# Altium PCB EBS V1.0.PcbDoc (part 4 of 5)
Units mm, origin at the board's own origin, x right, y up, seen from the top; angles counter-clockwise.
Board outline 119.89 x 108.33 mm, 4 copper layers (Top Layer, Internal Plane 1, Internal Plane 2, Bottom Layer), stack 0.462 mm thick; 406 components, 278 nets, 1194 pads, 156 vias.
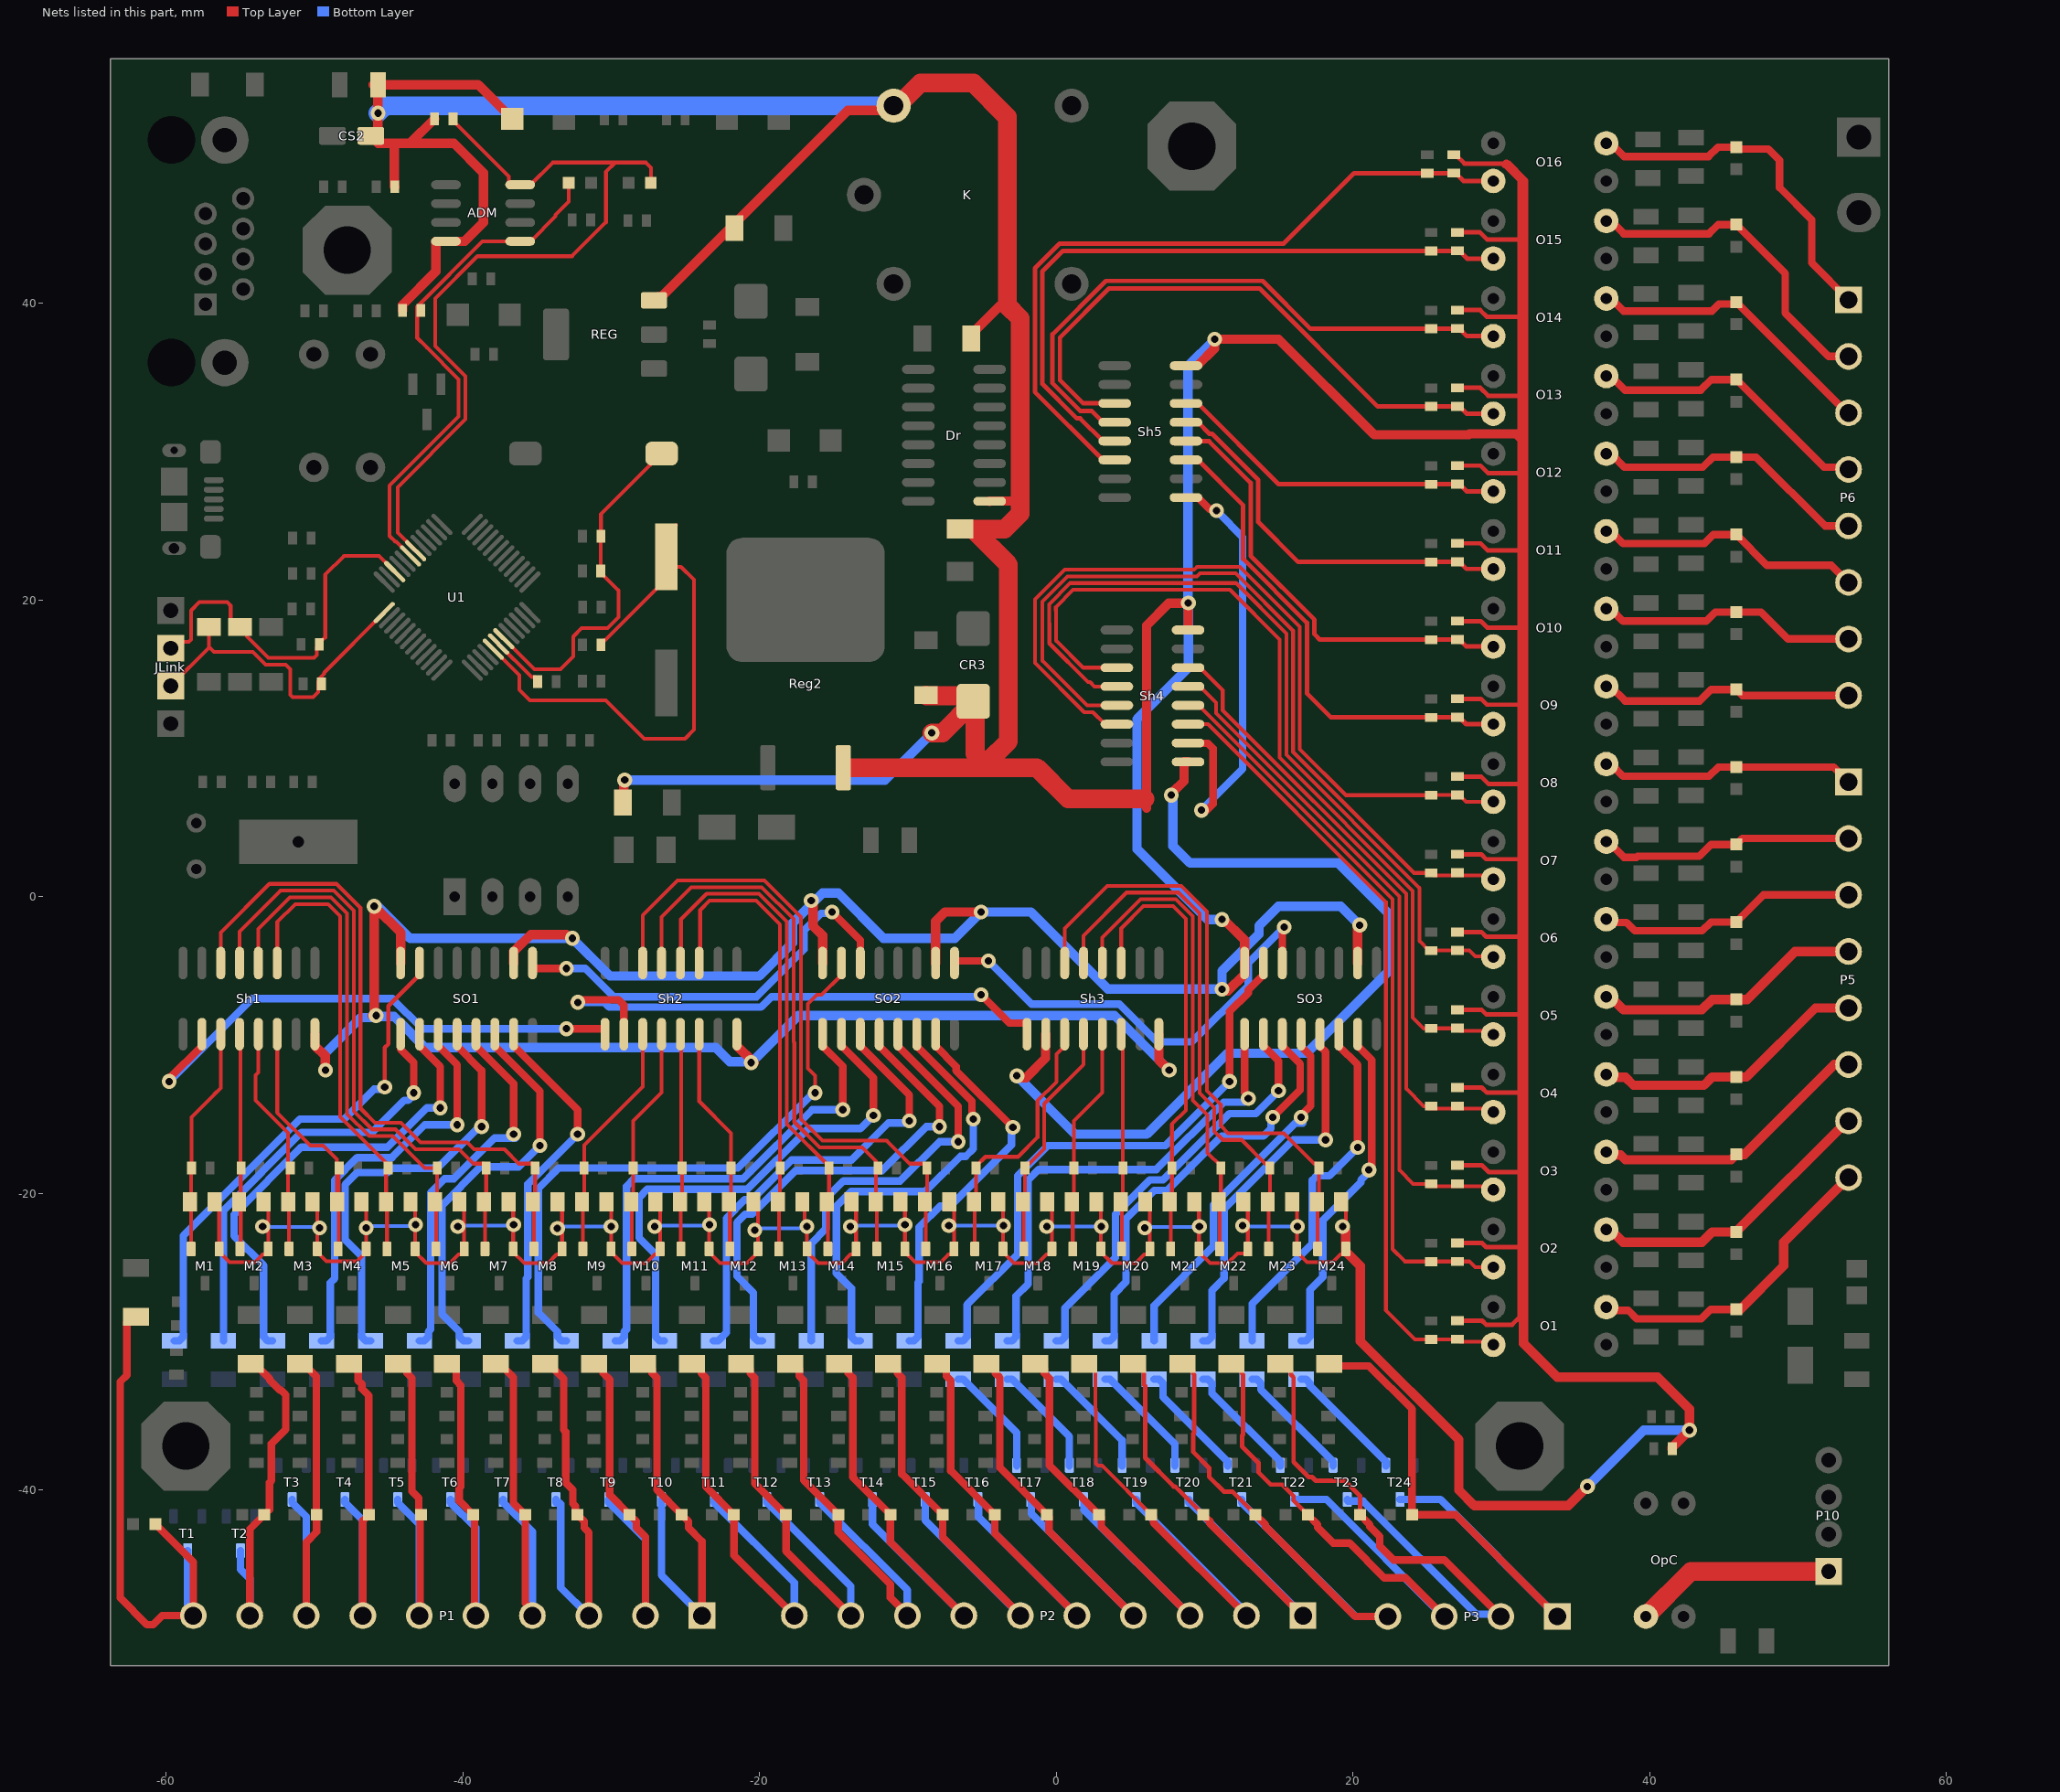
[diagram p6: the nets of this part, all layers, seen from the top]

## Via types
v1: diameter 1, hole 0.5, Top Layer to Bottom Layer, 153 vias
v2: diameter 2, hole 1, Top Layer to Bottom Layer, 3 vias

## Nets (pads, with @x,y where several pads share a name; then routed paths per layer and width w, separated by ;. In a path a pad name is that pad's centre, name@x,y a point inside that pad or via, vN(x,y) a via of type N, cw(c..) or ccw(c..) an arc to the next point about the centre after c; other vN are vias at no path point) (continued)
NetRF17_1: RF17.1 T17.1 | length 7.7
  Bottom Layer w0.508: RF17.1@-6.604,-32.519 -6.279,-32.519 -2.667,-36.131 T17.1@-2.667,-38.354
NetRF18_1: RF18.1 T18.1 | length 7.8
  Bottom Layer w0.508: RF18.1@-3.302,-32.519 -2.977,-32.519 0.889,-36.385 T18.1@0.889,-38.354
NetRF19_1: RF19.1 T19.1 | length 7.9
  Bottom Layer w0.508: RF19.1@0,-32.519 0.325,-32.519 4.445,-36.639 T19.1@4.445,-38.354
NetRF20_1: RF20.1 T20.1 | length 8
  Bottom Layer w0.508: RF20.1@3.302,-32.519 3.627,-32.519 8.001,-36.893 T20.1@8.001,-38.354
NetRF21_1: RF21.1 T21.1 | length 8.1
  Bottom Layer w0.508: RF21.1@6.604,-32.519 6.929,-32.519 7.2,-32.79 7.2,-33.722 11.557,-38.079 T21.1@11.557,-38.354
NetRF22_1: RF22.1 T22.1 | length 8.2
  Bottom Layer w0.508: RF22.1@9.906,-32.519 10.231,-32.519 10.502,-32.79 10.502,-33.468 15.113,-38.079 T22.1@15.113,-38.354
NetRF23_1: RF23.1 T23.1 | length 8.3
  Bottom Layer w0.508: RF23.1@13.208,-32.519 13.533,-32.519 13.804,-32.79 13.804,-33.214 18.669,-38.079 T23.1@18.669,-38.354
NetRF24_1: RF24.1 T24.1 | length 8.4
  Bottom Layer w0.508: RF24.1@16.51,-32.519 16.835,-32.519 17.106,-32.79 17.106,-32.96 22.225,-38.079 T24.1@22.225,-38.354
NetSh1_10: Sh1.10 Sh2.9 | length 36.9
  Top Layer w0.508: v1@-59.817,-12.573 -59.817,-12.284 -57.591,-10.058 Sh1.10@-57.591,-9.258 ; v1@-32.893,-9.017 -32.893,-8.99 -32.793,-8.89 -30.457,-8.89 -30.414,-8.932 Sh2.9@-30.414,-9.258
  Bottom Layer w0.508: v1(-59.8,-12.446) -54.222,-6.867 -44.746,-6.867 -42.724,-8.89 v1@-33.147,-8.89
  other v1: -33.02,-8.89
NetSh2_10: Sh2.10 Sh3.9 | length 37.5
  Top Layer w0.508: v1@-32.512,-7.112 -32.341,-6.941 -29.508,-6.941 -29.144,-7.305 Sh2.10@-29.144,-9.258 ; v1@-4.953,-6.731 -4.936,-6.731 -3.163,-8.504 -2.011,-8.504 -1.968,-8.546 Sh3.9@-1.968,-9.258
  Bottom Layer w0.508: v1(-32.241,-7.112) -32.232,-7.121 -30.456,-7.121 -30.138,-7.439 -19.9,-7.439 -19.192,-6.731 v1@-5.207,-6.731
  other v1: -5.063,-6.604
NetSh3_10: Sh3.10 Sh4.9 | length 61.9
  Top Layer w0.635: v1@-2.667,-12.192 -2.032,-12.192 -0.716,-10.876 -0.716,-10.041 -0.698,-10.023 Sh3.10@-0.698,-9.258 ; v1@7.874,6.858 7.834,6.898 7.834,7.027 8.619,7.812 8.619,9.082 8.637,9.1 Sh4.9@8.89,9.1
  Bottom Layer w0.635: v1(-2.65,-12.065) 1.287,-16.002 6.096,-16.002 11.557,-10.541 16.891,-10.541 22.361,-5.071 22.361,-1.077 18.998,2.286 9.017,2.286 7.874,3.429 v1@7.874,6.858
  other v1: 7.764,6.858
NetSh4_10: Sh4.10 Sh5.9 | length 30.7
  Top Layer w0.508: Sh5.9@8.75,26.917 9.55,26.917 10.338,26.129 10.585,26.129 10.795,25.919 v1@10.795,25.908 ; Sh4.10@8.89,10.37 8.908,10.352 10.237,10.352 10.573,10.016 10.573,6.255 v1@10.033,5.715
  Bottom Layer w0.508: v1(9.796,5.842) 12.573,8.619 12.573,24.257 v1@10.922,25.908
  other v1: 10.812,26.035
NetSO1_9: SO1.9 SO2.14 | length 28.6
  Top Layer w0.508: SO1.9@-35.302,-4.458 -35.302,-4.784 -35.26,-4.826 v1(-33.02,-4.826) ; v1@-14.986,-1.016 -14.986,-1.143 -13.206,-2.923 SO2.14@-13.206,-4.458
  Bottom Layer w0.508: v1(-33.02,-4.826) -31.75,-4.826 -29.845,-6.731 -20.193,-6.731 -17.006,-3.544 -17.006,-2.274 -15.842,-1.11 -15.207,-1.11 v1(-15.113,-1.016)
NetSO2_9: SO2.9 SO3.14 | length 31.1
  Top Layer w0.508: SO2.9@-6.856,-4.458 -6.856,-4.36 -6.814,-4.318 -4.799,-4.318 -4.699,-4.218 v1@-4.699,-4.191 ; SO3.14@15.24,-4.458 15.24,-2.292 15.367,-2.165 v1(15.367,-2.032)
  Bottom Layer w0.508: v1(-4.572,-4.318) -1.66,-7.23 4.257,-7.23 6.806,-9.779 9.144,-9.779 12.954,-5.969 12.954,-4.445 v1(15.367,-2.032)
NULL: OpC.1 P10.1 | length 13.6
  Top Layer w1.27: OpC.1@39.751,-48.514 42.792,-45.473 P10.1@52.07,-45.473
OSCIN: C6.1 U1.5 Y2.2 | length 40.1
  Top Layer w0.254: U1.5@-37.946,16.693 -36.195,14.941 -36.195,13.97 -35.471,13.246 -30.363,13.246 -27.785,10.668 -25.019,10.668 -24.422,11.265 -24.422,21.374 -25.295,22.247 -25.666,22.247 -26.162,22.743 Y2.2@-26.162,23.368 ; C6.1@-30.691,16.988 -30.691,17.113 -30.518,17.286 -30.427,17.286 -26.289,21.424 Y2.2@-26.289,22.924 -26.289,24.424 -25.666,25.047 Y2.2@-25.611,25.047
OSCOUT: R3.1 U1.6 | length 3.8
  Top Layer w0.254: U1.6@-37.593,17.046 -35.36,14.813 -35.135,14.813 -34.962,14.64 R3.1@-34.962,14.515
RESET: C10.1 R10.2 RES.2 U1.7 | length 24.1
  Top Layer w0.254: U1.7@-37.239,17.4 -37.227,17.4 -35.172,15.345 -33.416,15.345 -32.563,16.198 -32.563,17.549 -32.004,18.107 -30.248,18.107 -29.509,18.846 -29.509,20.657 -30.699,21.847 R10.2@-30.699,21.972 -30.695,21.976 -30.695,24.304 C10.1@-30.691,24.308 -30.691,25.787 -27.395,29.083 -27.395,29.23 -26.743,29.883 RES.2@-26.595,29.883
RxComm: ADM.1 RC4.1 Rx.1 U1.31 | length 34.8
  Top Layer w0.254: U1.31@-43.533,22.986 -44.49,23.944 -44.555,23.944 -44.939,24.327 -44.939,27.719 -40.278,32.38 -40.278,34.893 -42.443,37.059 -43.079,37.694 -43.079,39.792 -38.675,44.196 ADM.1@-36.134,44.196 -35.433,44.196 -33.753,45.876 -33.753,45.983 -32.865,46.871 Rx.1@-32.865,47.988
SI24_0: DD1.2 L1.2 P1.10 T1.3 | length 37.2
  Top Layer w0.508: DD1.2@-62.025,-28.32 -62.3,-28.32 -62.646,-28.666 -62.646,-32.234 -63.1,-32.688 -63.1,-47.263 -61.297,-49.066 -60.877,-49.066 -60.268,-48.457 P1.10@-58.171,-48.457 -58.171,-44.85 L1.2@-60.73,-42.291
  Bottom Layer w0.508: T1.3@-58.547,-44.069 -58.547,-47.731 -58.171,-48.107 P1.10@-58.171,-48.457
SI24_1: DD2.2 L2.2 P1.9 T2.3 | length 23.7
  Top Layer w0.508: P1.9@-54.361,-48.457 -54.361,-42.643 L2.2@-53.374,-41.656 -53.032,-41.314 -53.032,-39.477 -52.903,-39.348 -52.903,-38.102 ; DD2.2@-54.289,-31.495 -54.014,-31.495 -53.021,-32.488 -53.021,-32.576 -52.34,-33.257 -52.252,-33.257 -51.943,-33.566 -51.943,-35.905 -52.903,-36.866 -52.903,-37.973
  Bottom Layer w0.508: T2.3@-54.991,-44.069 -54.991,-45.331 -54.361,-45.961 P1.9@-54.361,-48.457
SI24_2: DD3.2 L3.2 P1.8 T3.3 | length 26.1
  Top Layer w0.508: DD3.2@-50.984,-31.495 -50.709,-31.495 -49.877,-32.327 -49.877,-41.636 L3.2@-49.858,-41.656 -49.858,-42.818 -50.551,-43.511 P1.8@-50.551,-48.457
  Bottom Layer w0.508: T3.3@-51.501,-40.629 -51.501,-40.829 -50.551,-41.779 P1.8@-50.551,-48.457
SI24_3: DD4.2 L4.2 P1.7 T4.3 | length 26.2
  Top Layer w0.508: DD4.2@-47.679,-31.495 -47.404,-31.495 -47.058,-31.841 -47.058,-32.61 -46.806,-32.863 -46.806,-33.166 -46.341,-33.631 L4.2@-46.341,-41.656 -46.741,-42.056 P1.7@-46.741,-48.457
  Bottom Layer w0.508: T4.3@-47.945,-40.629 -47.945,-40.829 -46.741,-42.033 P1.7@-46.741,-48.457
SI24_4: DD5.2 L5.2 P1.6 T5.3 | length 26.2
  Top Layer w0.508: DD5.2@-44.375,-31.495 -44.1,-31.495 -43.754,-31.841 -43.754,-32.116 -43.429,-32.441 -43.429,-40.071 -42.971,-40.529 -42.971,-41.51 L5.2@-42.825,-41.656 -42.878,-41.709 -42.878,-48.404 P1.6@-42.931,-48.457
  Bottom Layer w0.508: T5.3@-44.389,-40.629 -44.389,-40.829 -42.931,-42.287 P1.6@-42.931,-48.457
SI24_5: DD6.2 L6.2 P1.5 T6.3 | length 26.3
  Top Layer w0.508: DD6.2@-40.795,-31.495 -40.449,-31.841 -40.449,-32.616 -40.127,-32.938 -40.127,-39.768 -40.236,-39.878 -40.236,-40.728 L6.2@-39.308,-41.656 -39.214,-41.749 -39.214,-48.364 P1.5@-39.121,-48.457
  Bottom Layer w0.508: T6.3@-40.833,-40.629 -40.833,-40.829 -39.121,-42.541 P1.5@-39.121,-48.457
SI24_6: DD7.2 L7.2 P1.4 T7.3 | length 26.8
  Top Layer w0.508: DD7.2@-37.765,-31.495 -37.49,-31.495 -36.583,-32.402 -36.583,-40.864 L7.2@-35.791,-41.656 -35.791,-47.627 -35.311,-48.107 P1.4@-35.311,-48.457
  Bottom Layer w0.508: T7.3@-37.277,-40.629 -37.277,-40.829 -35.311,-42.795 P1.4@-35.311,-48.457
SI24_7: DD8.2 L8.2 P1.3 T8.3 | length 27.2
  Top Layer w0.508: DD8.2@-34.461,-31.495 -34.186,-31.495 -33.193,-32.488 -33.193,-35.929 -33.067,-36.055 -33.067,-39.497 -32.591,-39.973 -32.591,-40.899 -32.421,-41.069 -32.421,-41.51 -31.82,-42.111 -31.82,-42.537 -31.501,-42.856 P1.3@-31.501,-48.457
  Bottom Layer w0.508: T8.3@-33.721,-40.629 -33.721,-40.829 -33.675,-40.875 -33.453,-40.875 -33.401,-40.927 -33.401,-46.557 P1.3@-31.501,-48.457
SI24_8: DD9.2 L9.2 P1.2 T9.3 | length 27.4
  Top Layer w0.508: DD9.2@-31.156,-31.495 -30.881,-31.495 -30.535,-31.841 -30.535,-32.116 -30.099,-32.552 -30.099,-40.315 L9.2@-28.758,-41.656 -28.304,-42.111 -28.304,-42.537 -27.691,-43.15 P1.2@-27.691,-48.457
  Bottom Layer w0.508: T9.3@-30.165,-40.629 -30.165,-40.829 -27.691,-43.303 P1.2@-27.691,-48.457
SI24_9: DD10.2 L10.2 P1.1 T10.3 | length 27.7
  Top Layer w0.508: DD10.2@-27.851,-31.495 -27.576,-31.495 -27.23,-31.841 -27.23,-32.116 -26.919,-32.427 -26.919,-39.979 L10.2@-25.242,-41.656 -24.787,-42.111 -24.787,-42.537 -23.881,-43.443 P1.1@-23.881,-48.457
  Bottom Layer w0.508: T10.3@-26.609,-40.629 -26.609,-45.729 P1.1@-23.881,-48.457
SI24_10: DD11.2 L11.2 P2.10 T11.3 | length 30
  Top Layer w0.508: DD11.2@-24.546,-31.495 -24.271,-31.495 -23.925,-31.841 -23.925,-32.116 -23.617,-32.425 -23.617,-39.764 L11.2@-21.725,-41.656 -21.725,-44.385 P2.10@-17.653,-48.457
  Bottom Layer w0.508: T11.3@-23.053,-40.629 -23.053,-40.829 -17.653,-46.229 P2.10@-17.653,-48.457
SI24_11: DD12.2 L12.2 P2.9 T12.3 | length 30.4
  Top Layer w0.508: DD12.2@-21.242,-31.495 -20.967,-31.495 -20.621,-31.841 -20.621,-32.116 -20.315,-32.422 -20.315,-39.549 L12.2@-18.208,-41.656 -18.208,-44.092 P2.9@-13.843,-48.457
  Bottom Layer w0.508: T12.3@-19.497,-40.629 -19.497,-40.829 -13.843,-46.483 P2.9@-13.843,-48.457
SI24_12: DD13.2 L13.2 P2.8 T13.3 | length 30.7
  Top Layer w0.508: DD13.2@-17.937,-31.495 -17.662,-31.495 -17.316,-31.841 -17.316,-32.294 -17.013,-32.597 -17.013,-39.335 L13.2@-14.692,-41.656 -14.692,-42.839 -11.176,-46.355 -11.176,-47.25 -10.033,-48.393 P2.8@-10.033,-48.457
  Bottom Layer w0.508: T13.3@-15.941,-40.629 -15.941,-40.829 -10.033,-46.737 P2.8@-10.033,-48.457
SI24_13: DD14.2 L14.2 P2.7 T14.3 | length 31
  Top Layer w0.508: DD14.2@-14.632,-31.495 -14.357,-31.495 -14.011,-31.841 -14.011,-32.116 -13.711,-32.416 -13.711,-39.12 L14.2@-11.175,-41.656 -11.175,-43.505 P2.7@-6.223,-48.457
  Bottom Layer w0.508: T14.3@-12.385,-40.629 -12.385,-42.295 P2.7@-6.223,-48.457
SI24_14: DD15.2 L15.2 P2.6 T15.3 | length 31.3
  Top Layer w0.508: DD15.2@-11.328,-31.495 -11.053,-31.495 -10.707,-31.841 -10.707,-32.116 -10.409,-32.414 -10.409,-38.906 L15.2@-7.658,-41.656 -7.658,-43.17 -2.413,-48.416 P2.6@-2.413,-48.457
  Bottom Layer w0.508: T15.3@-8.829,-40.629 -8.829,-42.041 P2.6@-2.413,-48.457
SI24_15: DD16.2 L16.2 P2.5 T16.3 | length 31.6
  Top Layer w0.508: DD16.2@-8.023,-31.495 -7.748,-31.495 -7.402,-31.841 -7.402,-32.302 -7.107,-32.597 -7.107,-38.691 L16.2@-4.142,-41.656 -4.142,-42.918 P2.5@1.397,-48.457
  Bottom Layer w0.508: T16.3@-5.273,-40.629 -5.227,-40.675 -5.227,-41.833 P2.5@1.397,-48.457
SI24_16: DD17.2 L17.2 P2.4 T17.3 | length 31.9
  Top Layer w0.508: DD17.2@-4.718,-31.495 -4.443,-31.495 -4.097,-31.841 -4.097,-32.116 -3.805,-32.408 -3.805,-38.476 L17.2@-0.625,-41.656 -0.479,-41.802 -0.479,-42.771 P2.4@5.207,-48.457
  Bottom Layer w0.508: T17.3@-1.717,-40.629 -1.671,-40.675 -1.671,-41.579 P2.4@5.207,-48.457
SI24_17: DD18.2 L18.2 P2.3 T18.3 | length 32.2
  Top Layer w0.508: DD18.2@-1.413,-31.495 -1.138,-31.495 -0.792,-31.841 -0.792,-32.116 -0.459,-32.449 -0.459,-38.305 L18.2@2.891,-41.656 3.037,-41.802 3.037,-42.477 P2.3@9.017,-48.457
  Bottom Layer w0.508: T18.3@1.839,-40.629 1.885,-40.675 1.885,-41.325 P2.3@9.017,-48.457
SI24_18: DD19.2 L19.2 P2.2 T19.3 | length 32.7
  Top Layer w0.254: DD19.2@1.891,-31.495 2.166,-31.495 2.639,-31.968 2.639,-34.483 2.672,-34.516 2.672,-38.205 2.821,-38.354 3.106,-38.354 L19.2@6.408,-41.656
  Top Layer w0.508: L19.2@6.408,-41.656 6.554,-41.802 6.554,-42.184 P2.2@12.827,-48.457
  Bottom Layer w0.508: T19.3@5.395,-40.629 5.395,-40.829 12.827,-48.261 P2.2@12.827,-48.457
SI24_19: DD20.2 L20.2 P2.1 T20.3 | length 33
  Top Layer w0.305: DD20.2@5.196,-31.495 5.471,-31.495 5.919,-31.943 5.919,-32.899 6,-32.98 6,-37.823 7.925,-39.748 8.016,-39.748 L20.2@9.925,-41.656
  Top Layer w0.508: L20.2@9.925,-41.656 10.357,-42.088 10.357,-42.228 15.94,-47.811 15.991,-47.811 P2.1@16.637,-48.457
  Bottom Layer w0.508: T20.3@8.951,-40.629 8.951,-40.829 8.997,-40.875 9.055,-40.875 P2.1@16.637,-48.457
SI24_20: DD21.2 L21.2 P3.4 T21.3 | length 37.8
  Top Layer w0.305: DD21.2@8.501,-31.495 8.776,-31.495 9.223,-31.943 9.223,-32.143 9.302,-32.221 9.302,-36.12 9.227,-36.195 9.227,-37.412 10.307,-38.493 10.307,-39.095 11.303,-40.091 11.876,-40.091 L21.2@13.441,-41.656
  Top Layer w0.508: L21.2@13.441,-41.656 14.099,-42.314 14.099,-42.453 20.16,-48.514 P3.4@22.352,-48.514
  Bottom Layer w0.508: T21.3@12.507,-40.629 12.507,-40.829 20.192,-48.514 P3.4@22.352,-48.514
SI24_21: DD22.2 L22.2 P3.3 T22.3 | length 38.5
  Top Layer w0.305: DD22.2@11.806,-31.495 12.081,-31.495 12.528,-31.943 12.528,-32.143 12.604,-32.218 12.604,-36.247 12.529,-36.322 12.529,-37.051 13.633,-38.156 13.633,-38.798 14.458,-39.623 15.239,-39.623 16.002,-40.386 16.002,-40.7 L22.2@16.958,-41.656
  Top Layer w0.508: L22.2@16.958,-41.656 17.616,-42.314 17.616,-42.508 18.669,-43.561 19.764,-43.561 22.117,-45.914 23.562,-45.914 P3.3@26.162,-48.514
  Bottom Layer w0.508: T22.3@16.063,-40.629 18.221,-40.629 26.106,-48.514 P3.3@26.162,-48.514
SI24_22: DD23.2 L23.2 P3.2 T23.3 | length 40.3
  Top Layer w0.305: DD23.2@15.11,-31.495 15.385,-31.495 15.833,-31.943 15.833,-32.218 16.002,-32.387 16.002,-38.1 17.018,-39.116 17.253,-39.116 17.5,-39.363 19.458,-39.363 20.474,-40.379 L23.2@20.474,-41.656
  Top Layer w0.508: L23.2@20.474,-41.656 21.132,-42.314 21.132,-42.453 21.804,-43.125 21.804,-43.775 22.73,-44.701 26.159,-44.701 P3.2@29.972,-48.514
  Bottom Layer w0.508: T23.3@19.619,-40.629 19.619,-40.686 19.665,-40.732 20.681,-40.732 28.31,-48.361 29.819,-48.361 P3.2@29.972,-48.514
SI24_23: DD24.2 L24.2 P3.1 T24.3 | length 40.5
  Top Layer w0.508: DD24.2@18.415,-31.495 18.543,-31.623 21.082,-31.623 23.991,-34.532 L24.2@23.991,-41.656 26.924,-41.656 P3.1@33.782,-48.514
  Bottom Layer w0.508: T24.3@23.175,-40.629 25.897,-40.629 P3.1@33.782,-48.514
SI24_24: L25.2 O1.2 P5.8 | length 21.5
  Top Layer w0.508: O1.2@37.084,-27.66 37.303,-27.879 38.562,-27.879 39.131,-28.448 43.49,-28.448 44.125,-27.813 L25.2@45.847,-27.813
  Top Layer w0.635: L25.2@45.847,-27.813 46.108,-27.813 49.046,-24.875 49.046,-23.294 P5.8@53.416,-18.923
SI24_25: L26.2 O2.2 P5.7 | length 20.1
  Top Layer w0.635: O2.2@37.084,-22.429 37.359,-22.429 38.223,-23.294 43.514,-23.294 44.219,-22.589 L26.2@45.847,-22.589 53.323,-15.113 P5.7@53.416,-15.113
SI24_26: L27.2 O3.2 P5.6 | length 19.2
  Top Layer w0.635: O3.2@37.084,-17.199 37.278,-17.393 38.052,-17.393 38.383,-17.724 45.488,-17.724 L27.2@45.847,-17.365 46.389,-17.365 52.451,-11.303 P5.6@53.416,-11.303
SI24_27: L28.2 O4.2 P5.5 | length 18.8
  Top Layer w0.635: O4.2@37.084,-11.968 37.278,-12.162 38.377,-12.162 38.914,-12.7 43.667,-12.7 44.226,-12.141 L28.2@45.847,-12.141 46.533,-12.141 51.181,-7.493 P5.5@53.416,-7.493
SI24_28: L29.2 O5.2 P5.4 | length 18.3
  Top Layer w0.635: O5.2@37.084,-6.737 37.359,-6.737 38.233,-7.612 43.536,-7.612 44.23,-6.917 L29.2@45.847,-6.917 46.573,-6.917 49.808,-3.683 P5.4@53.416,-3.683
SI24_29: L30.2 O6.2 P5.3 | length 17.7
  Top Layer w0.508: O6.2@37.084,-1.507 37.303,-1.725 38.443,-1.725 39.01,-2.292 43.545,-2.292 44.144,-1.693 L30.2@45.847,-1.693 47.667,0.127 P5.3@53.416,0.127
SI24_30: L31.2 O7.2 P5.2 | length 17.3
  Top Layer w0.508: O7.2@37.084,3.724 37.215,3.724 38.272,2.667 39.116,2.667 39.188,2.739 43.355,2.739 44.147,3.531 L31.2@45.847,3.531 46.253,3.937 P5.2@53.416,3.937
SI24_31: L32.2 O8.2 P5.1 | length 17.4
  Top Layer w0.508: O8.2@37.084,8.955 37.393,8.955 38.22,8.128 44.01,8.128 44.636,8.755 L32.2@45.847,8.755 52.409,8.755 P5.1@53.416,7.747
SI24_32: L33.2 O9.2 P6.8 | length 17.2
  Top Layer w0.508: O9.2@37.084,14.185 37.374,14.185 38.352,13.208 43.384,13.208 44.155,13.978 L33.2@45.847,13.978 46.249,13.576 P6.8@53.416,13.576
SI24_33: L34.2 O10.2 P6.7 | length 17.7
  Top Layer w0.508: O10.2@37.084,19.416 37.393,19.416 38.216,18.593 43.815,18.593 44.425,19.202 L34.2@45.847,19.202 47.518,19.202 49.335,17.386 P6.7@53.416,17.386
SI24_34: L35.2 O11.2 P6.6 | length 18.3
  Top Layer w0.508: O11.2@37.084,24.647 37.393,24.647 38.219,23.821 43.703,23.821 44.308,24.426 L35.2@45.847,24.426 47.921,22.352 52.26,22.352 P6.6@53.416,21.196
SI24_35: L36.2 O12.2 P6.5 | length 18.9
  Top Layer w0.508: O12.2@37.084,29.877 37.393,29.877 38.304,28.967 43.585,28.967 44.268,29.65 L36.2@45.847,29.65 47.185,29.65 51.829,25.006 P6.5@53.416,25.006
SI24_36: L37.2 O13.2 P6.4 | length 19.5
  Top Layer w0.508: O13.2@37.084,35.108 37.393,35.108 38.338,34.163 43.459,34.163 44.17,34.874 L37.2@45.847,34.874 51.754,28.967 53.265,28.967 P6.4@53.416,28.816
SI24_37: L38.2 O14.2 P6.3 | length 20
  Top Layer w0.508: O14.2@37.084,40.339 37.393,40.339 38.235,39.497 44.213,39.497 44.685,39.969 45.718,39.969 L38.2@45.847,40.098 53.319,32.626 P6.3@53.416,32.626
SI24_38: L39.2 O15.2 P6.2 | length 22.2
  Top Layer w0.508: O15.2@37.084,45.569 37.393,45.569 38.259,44.704 44.014,44.704 44.632,45.322 L39.2@45.847,45.322 49.149,42.02 49.149,39.36 52.073,36.436 P6.2@53.416,36.436
SI24_39: L40.2 O16.2 P6.1 | length 24
  Top Layer w0.508: O16.2@37.084,50.8 37.393,50.8 38.282,49.911 43.98,49.911 44.615,50.546 L40.2@45.847,50.546 45.974,50.419 48.006,50.419 48.768,49.657 48.768,47.811 50.927,45.652 50.927,42.735 P6.1@53.416,40.246
Sig_0: RF1.2 SO1.15 | length 34.5
  Top Layer w0.254: v1(-45.265,-12.827) -45.265,-10.16 -45.02,-9.915 -45.02,-7.356 -42.922,-5.258 SO1.15@-42.922,-4.458
  Bottom Layer w0.508: RF1.2@-59.436,-29.923 -59.111,-29.923 -58.84,-29.652 -58.84,-22.837 -50.989,-14.986 -48.006,-14.986 -45.989,-12.969 v1@-45.339,-12.969
Sig_1: RF2.2 SO1.1 | length 28
  Top Layer w0.508: SO1.1@-44.21,-10.26 -43.307,-11.163 v1(-43.307,-13.208)
  Bottom Layer w0.508: RF2.2@-56.134,-29.923 -56.134,-21.133 -50.876,-15.875 -46.101,-15.875 -43.942,-13.716 -43.688,-13.716 v1@-43.434,-13.462
Sig_2: RF3.2 SO1.2 | length 32.2
  Top Layer w0.508: SO1.2@-42.922,-9.258 -42.922,-10.058 -41.529,-11.451 v1(-41.529,-14.224)
  Bottom Layer w0.508: RF3.2@-52.832,-29.923 -53.157,-29.923 -53.428,-29.652 -53.428,-24.858 -55.426,-22.86 -55.426,-21.426 -50.876,-16.876 -45.07,-16.876 -42.418,-14.224 v1(-41.529,-14.224)
Sig_3: RF4.2 SO1.3 | length 27.7
  Top Layer w0.508: SO1.3@-41.652,-9.258 -41.652,-10.058 -40.382,-11.328 v1(-40.382,-15.367)
  Bottom Layer w0.508: RF4.2@-49.53,-29.923 -49.205,-29.923 -48.934,-29.652 -48.934,-26.021 -48.641,-25.729 -48.641,-19.106 -47.119,-17.584 -44.777,-17.584 -42.56,-15.367 v1@-40.513,-15.367
Sig_4: RF5.2 SO1.4 | length 29
  Top Layer w0.508: SO1.4@-40.382,-9.258 -40.382,-10.058 -38.735,-11.705 v1(-38.735,-15.494)
  Bottom Layer w0.508: RF5.2@-46.228,-29.923 -46.553,-29.923 -46.824,-29.652 -46.824,-24.223 -47.933,-23.114 -47.933,-19.399 -47.119,-18.586 -45.07,-18.586 -44.777,-18.292 -41.693,-18.292 v1@-38.878,-15.478
Sig_5: RF6.2 SO1.5 | length 25.5
  Top Layer w0.508: SO1.5@-39.112,-9.258 -39.112,-10.058 -36.572,-12.598 v1(-36.572,-16.002)
  Bottom Layer w0.508: RF6.2@-42.926,-29.923 -42.601,-29.923 -42.33,-29.652 -42.33,-29.327 -42.164,-29.161 -42.164,-19.939 -41.225,-19 -40.605,-19 -37.861,-16.256 v1@-36.449,-16.256
Sig_6: RF7.2 SO1.6 | length 26.9
  Top Layer w0.508: SO1.6@-37.842,-9.258 -37.842,-10.058 -34.798,-13.102 v1(-34.798,-16.764)
  Bottom Layer w0.508: RF7.2@-39.624,-29.923 -39.949,-29.923 -40.22,-29.652 -40.22,-29.327 -41.402,-28.145 -41.402,-20.799 -38.799,-18.196 -36.23,-18.196 v1@-34.925,-16.891
Sig_7: RF8.2 SO1.7 | length 24.3
  Top Layer w0.508: SO1.7@-36.572,-9.258 -36.572,-10.058 -32.258,-14.372 v1(-32.258,-16.002)
  Bottom Layer w0.508: RF8.2@-36.322,-29.923 -35.997,-29.923 -35.726,-29.652 -35.726,-25.731 -35.618,-25.624 -35.618,-19.362 v1(-32.258,-16.002)
Sig_8: RF9.2 SO2.15 | length 42.3
  Top Layer w0.254: v1(-16.256,-13.208) -16.256,-12.044 -16.743,-11.557 -16.743,-7.218 -16.129,-6.604 -15.822,-6.604 -14.476,-5.258 SO2.15@-14.476,-4.458
  Bottom Layer w0.508: RF9.2@-33.02,-29.923 -33.345,-29.923 -33.616,-29.652 -33.616,-29.327 -34.91,-28.033 -34.91,-19.656 -33.535,-18.281 -21.456,-18.281 v1@-16.51,-13.335